# Altium PCB InsaneKeyboard.PcbDoc (part 1 of 5)
Units mil, origin at the board's own origin, x right, y up, seen from the top; angles counter-clockwise.
Board outline 7442.83 x 6333.68 mil, 2 copper layers (Top Layer, Bottom Layer), stack 61.756 mil thick; 289 components, 175 nets, 928 pads, 1163 vias.
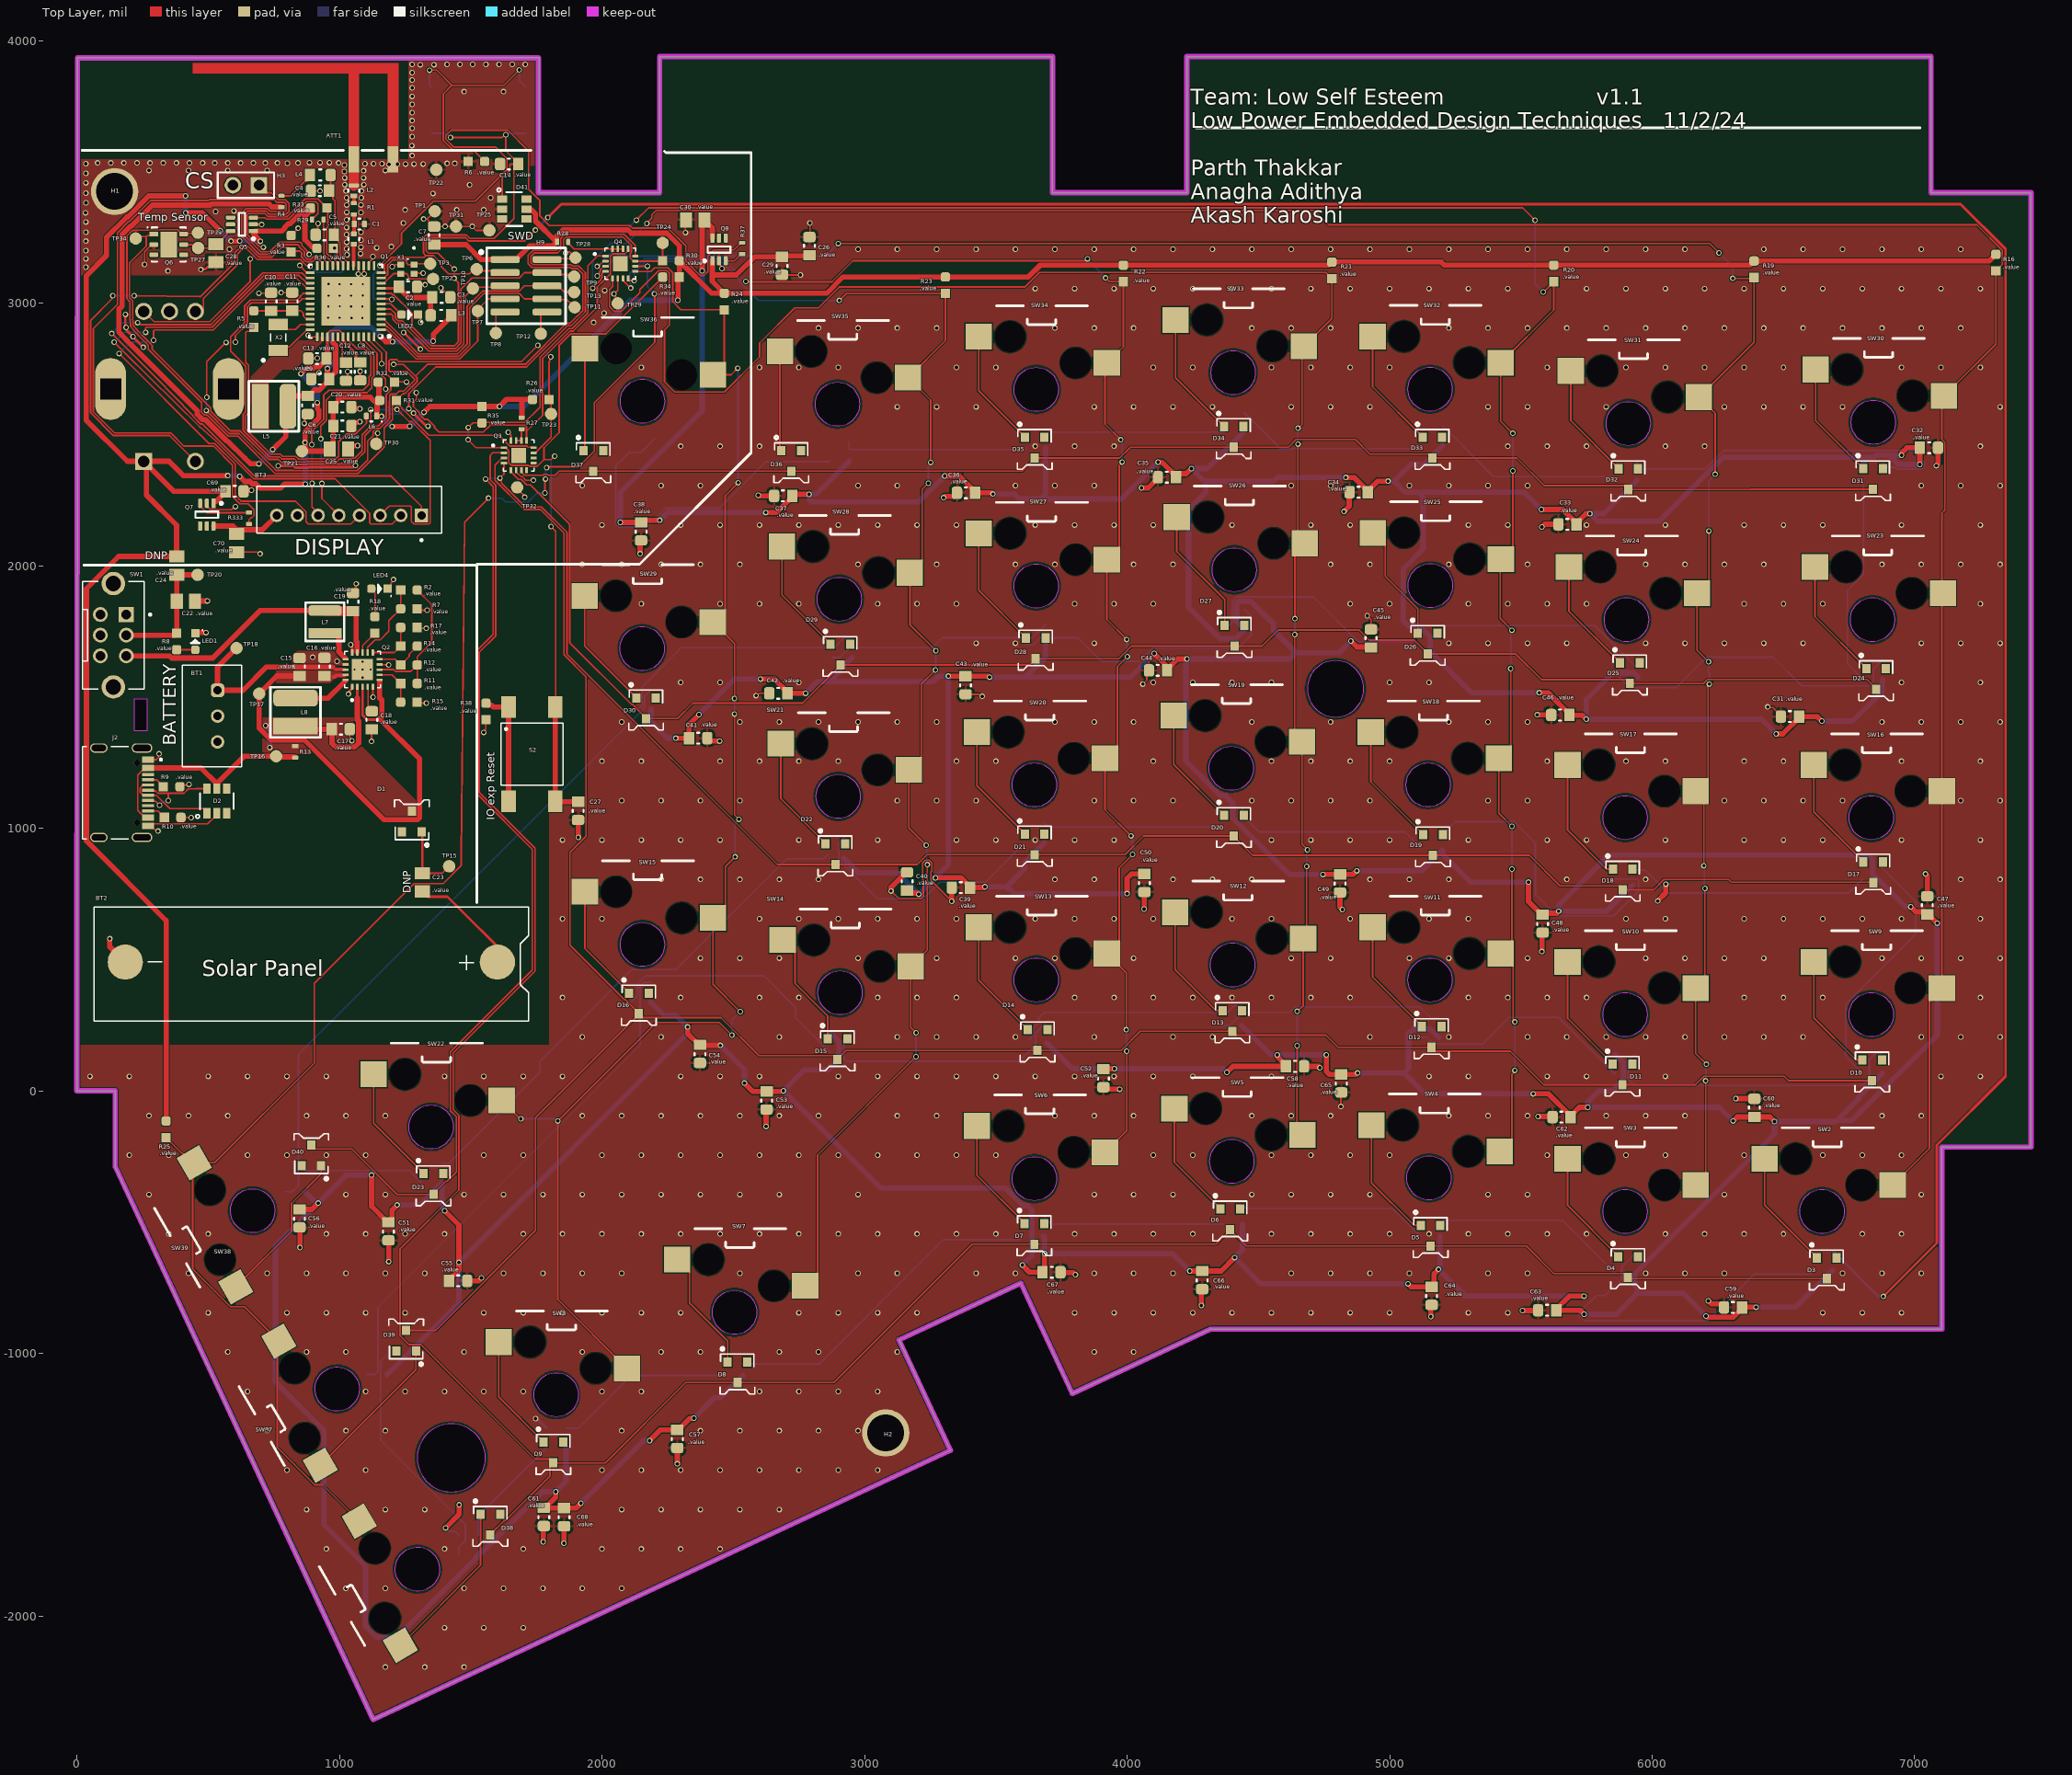
[diagram p0: Top Layer view]
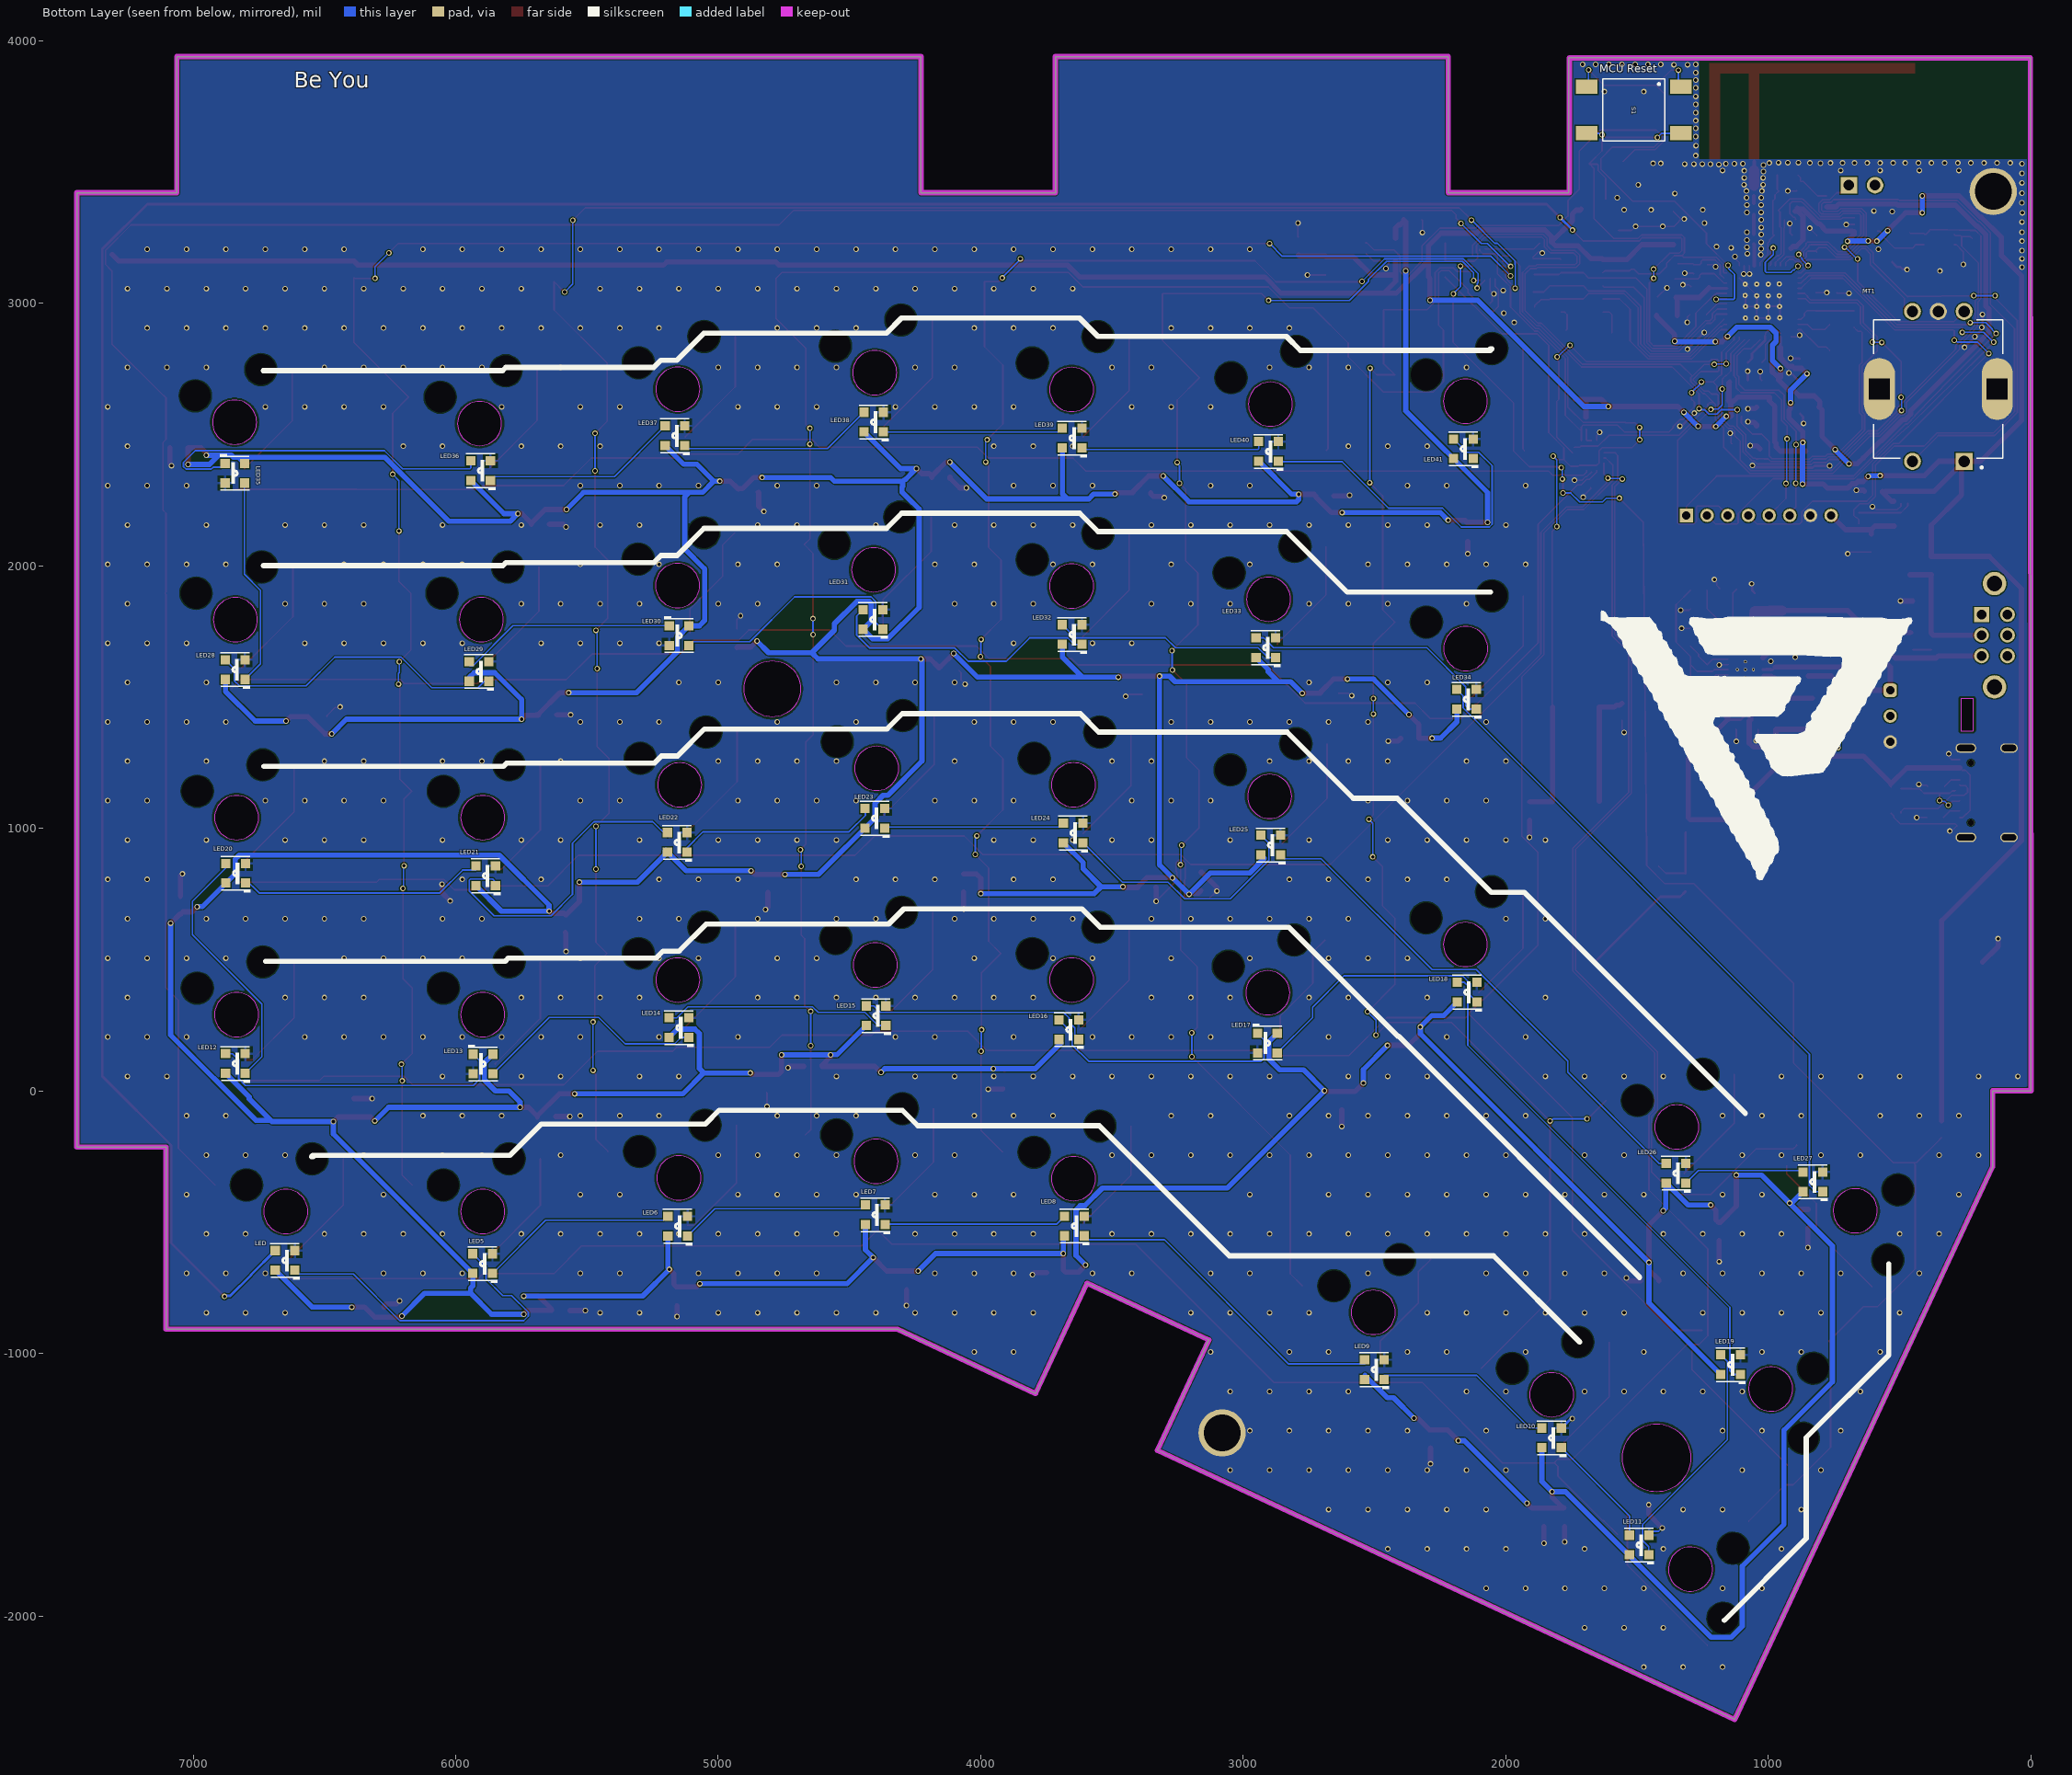
[diagram p1: Bottom Layer view, seen from below]
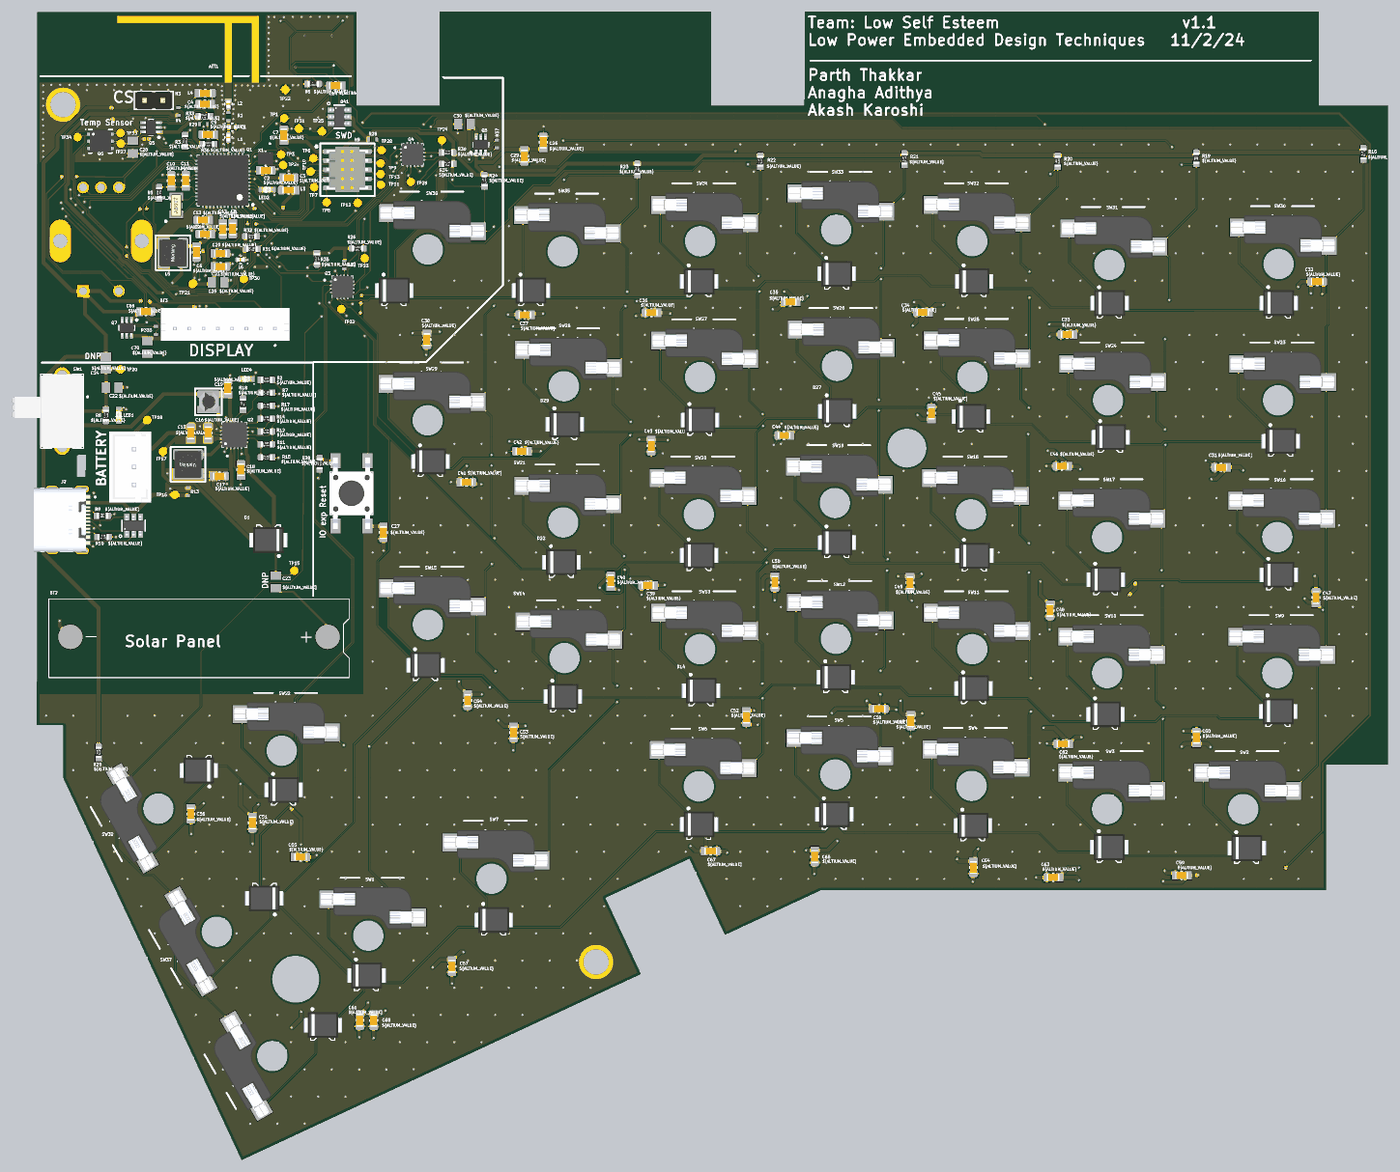
[diagram p6: 3D render of the assembled board from above, using the file's embedded part models]

## Layer stack, top to bottom
Top Solder: solder mask 1, SM-001, Dk 4
Top Layer: signal copper 1.378
Dielectric 1: core 59, Core-043, Dk 4.3
Bottom Layer: signal copper 1.378
Bottom Solder: solder mask 1, SM-001, Dk 4

## Board outline
479.2,-1003.43 795.33,-1681.38 1128.1,-2395 3327.42,-1369.44 3131.41,-949.1 3595.27,-732.8 3791.28,-1153.14 4317.45,-907.78 7103.08,-907.78 7103.08,-214.47 7442.84,-214.47 7442.84,3420.21 7062.33,3420.21 7062.33,3938.68 4227.68,3938.68 4227.68,3420.22 3715.87,3420.22 3715.87,3938.68 2219.81,3938.68 2219.81,3420.22 1760,3420.22 1760,3934.74 1.84,3934.75 0.01,-0.09 146.43,-0.09 146.43,-289.8
cut-out: 4686.83,1531 ccw(c4794,1531) 4794,1423.83 ccw(c4794,1531) 4901.17,1531 ccw(c4794,1531) 4794,1638.17 ccw(c4794,1531)
cut-out: 1296.37,-1398 ccw(c1426,-1398) 1426,-1527.63 ccw(c1426,-1398) 1555.63,-1398 ccw(c1426,-1398) 1426,-1268.37 ccw(c1426,-1398)
cut-out: 221,1371 219,1373 219,1493 267,1493 267,1371

## Design rules (kind name [scope] priority, off if disabled: settings)
BoardOutlineClearance [All] p1: gap=9 ignorepadtopadclearanceinfootprint=FALSE
Clearance [All] p1: gap=4 ignorepadtopadclearanceinfootprint=FALSE
HoleSize [All] p1: absolutevalues=TRUE maxlimit=248 minlimit=5.91 maxpercent=80.000 minpercent=20.000
HoleToHoleClearance [All] p1: gap=7.87 allowstackedmicrovias=TRUE
MinimumSolderMaskSliver [All] p1: minsoldermaskwidth=1
PlaneConnect [All] p1: planeconnectstyle=Direct reliefexpansion=20 reliefentries=4 reliefconductorwidth=10 reliefairgap=10
PolygonConnect InductorPourVDCDC [IsNamedPolygon('NETL5_1_L01_P013')] p1: connectstyle=Direct reliefconductorwidth=10 reliefentries=4 polygonreliefangle="90 Angle" airgapwidth=10
PolygonConnect AntennaPad [HasFootprint('F_INVERTED')] p2: connectstyle=Direct reliefconductorwidth=10 reliefentries=4 polygonreliefangle="90 Angle" airgapwidth=10
PolygonConnect PMIC [IsNamedPolygon('NETC17_1_L01_P004') or IsNamedPolygon('VOUT_L01_P003') or IsNamedPolygon('VSTOR_L01_P001') or IsNamedPolygon('GND_L01_P002') or IsNamedPolygon('VOUT_L01_P003')] p3: connectstyle=Direct reliefconductorwidth=10 reliefentries=4 polygonreliefangle="90 Angle" airgapwidth=10
PolygonConnect Switches [All] p4: thpad.connectstyle=Direct thpad.reliefconductorwidth=10 thpad.reliefentries=4 thpad.polygonreliefangle="90 Angle" thpad.airgapwidth=10 smdpad.connectstyle=Relief smdpad.reliefconductorwidth=10 smdpad.reliefentries=4 smdpad.polygonreliefangle="90 Angle" smdpad.airgapwidth=10 via.connectstyle=Direct via.reliefconductorwidth=10 via.reliefentries=4 via.polygonreliefangle="90 Angle" via.airgapwidth=10
PolygonConnect Bottom [IsNamedPolygon('GND_L02_P007')] p5: thpad.connectstyle=Direct thpad.reliefconductorwidth=10 thpad.reliefentries=4 thpad.polygonreliefangle="90 Angle" thpad.airgapwidth=10 smdpad.connectstyle=Relief smdpad.reliefconductorwidth=10 smdpad.reliefentries=4 smdpad.polygonreliefangle="90 Angle" smdpad.airgapwidth=10 via.connectstyle=Direct via.reliefconductorwidth=10 via.reliefentries=4 via.polygonreliefangle="90 Angle" via.airgapwidth=10
PolygonConnect vout [InNet('+3.3V') or InNet('VAEM')] p6: connectstyle=Direct reliefconductorwidth=10 reliefentries=4 polygonreliefangle="90 Angle" airgapwidth=10
PolygonConnect TopAntenna [IsNamedPolygon('GND_L01_P006')] p7: thpad.connectstyle=Direct thpad.reliefconductorwidth=10 thpad.reliefentries=4 thpad.polygonreliefangle="90 Angle" thpad.airgapwidth=10 smdpad.connectstyle=Relief smdpad.reliefconductorwidth=10 smdpad.reliefentries=4 smdpad.polygonreliefangle="90 Angle" smdpad.airgapwidth=10 via.connectstyle=Direct via.reliefconductorwidth=10 via.reliefentries=4 via.polygonreliefangle="90 Angle" via.airgapwidth=10
RoutingVias [All] p1: holewidth=13 width=21 viastyle="Through Hole" minholewidth=6 minwidth=10 maxholewidth=13 maxwidth=25
SilkToSilkClearance [All] p1: silktosilkclearance=4
SilkToSolderMaskClearance [IsPad] p1: minsilkscreentomaskgap=4 clearancetoexposedcopper=TRUE
SolderMaskExpansion [All] p1: expansion=4 istentingtop=FALSE
SupplyNets "Schematic Supply Nets_5" [InNet('VMCU')] p1: voltage=0.000
SupplyNets "Schematic Supply Nets_4" [InNet('VDCDC')] p2: voltage=0.000
SupplyNets "Schematic Supply Nets_3" [InNet('GND')] p3: voltage=0.000
SupplyNets "Schematic Supply Nets_2" [InNet('PAVDD')] p4: voltage=0.000
SupplyNets "Schematic Supply Nets_1" [InNet('+3.3V')] p5: voltage=0.000
SupplyNets "Schematic Supply Nets" [InNet('USB_VCC')] p6: voltage=0.000
UnRoutedNet [All] p1: checkbadconnections=TRUE
Width "Schematic Width Constraint_10" [InNet('DISPLAY_LOAD_SW')] p1: maxlimit=20 minlimit=6 preferedwidth=20
Width "Schematic Width Constraint_9" [InNet('LED_PWR')] p2: maxlimit=20 minlimit=6 preferedwidth=20
Width "Schematic Width Constraint_8" [InNet('VBAT')] p3: maxlimit=20 minlimit=6 preferedwidth=20
Width "Schematic Width Constraint_7" [InNet('VDCDC')] p4: maxlimit=20 minlimit=6 preferedwidth=20
Width "Schematic Width Constraint_6" [InNet('NetC17_1')] p5: maxlimit=20 minlimit=6 preferedwidth=20
Width "Schematic Width Constraint_3" [InNet('VSTOR')] p6: maxlimit=20 minlimit=6 preferedwidth=20
Width "Schematic Width Constraint_2" [InNet('NetL8_2')] p7: maxlimit=20 minlimit=6 preferedwidth=20
Width "Schematic Width Constraint" [InNet('+3.3V')] p8: maxlimit=20 minlimit=6 preferedwidth=20
Width "Schematic Width Constraint_5" [InNet('USB_VCC')] p9: maxlimit=20 minlimit=6 preferedwidth=20
Width "Schematic Width Constraint_4" [InNet('VMCU')] p10: maxlimit=20 minlimit=6 preferedwidth=20
Width "Schematic Width Constraint_1" [InNet('VOUT')] p11: maxlimit=50 minlimit=6 preferedwidth=20
Width [All] p12: maxlimit=50 minlimit=6 preferedwidth=6
23 further rules are at their usual default settings.

## Classes and differential pairs
net class RF: NetATT1_0 NetC1_1 NetL1_1 NetL2_1
component class LIGHTS: C29 C30 C31 C32 C33 C34 C35 C36 C37 C38 C39 C40 C41 C42 C43 C44 C45 C46 C47 C48 C49 C50 C51 C52 C53 C54 C55 C56 C57 C58 C59 C60 C61 C62 C63 C64 C65 C66 C67 C68 LED LED5 LED6 LED7 LED8 LED9 LED10 LED11 LED12 LED13 LED14 LED15 LED16 LED17 LED18 LED19 LED20 LED21 LED22 LED23 LED24 LED25 LED26 LED27 LED28 LED29 LED30 LED31 LED32 LED33 LED34 LED35 LED36 LED37 LED38 LED39 LED40 LED41 Q8 R37
component class DISPLAY: BT3 C69 C70 Q7 R333
net class RADIO_PF[7..0]: RADIO_PF0 RADIO_PF1 RADIO_PF2 RADIO_PF3 RADIO_PF4 RADIO_PF5 RADIO_PF6 RADIO_PF7
net class RADIO_PB[15..11]: RADIO_PB11 RADIO_PB12 RADIO_PB13 RADIO_PB14 RADIO_PB15
net class IO_ROW_P[7..0]: IO_ROW_P0 IO_ROW_P1 IO_ROW_P2 IO_ROW_P3 IO_ROW_P4 IO_ROW_P5 IO_ROW_P6 IO_ROW_P7
net class IO_COL_P[7..0]: IO_COL_P0 IO_COL_P1 IO_COL_P2 IO_COL_P3 IO_COL_P4 IO_COL_P5 IO_COL_P6 IO_COL_P7
component class SWITCHES: D3 D4 D5 D6 D7 D8 D9 D10 D11 D12 D13 D14 D15 D16 D17 D18 D19 D20 D21 D22 D23 D24 D25 D26 D27 D28 D29 D30 D31 D32 D33 D34 D35 D36 D37 D38 D39 D40 H1 H2 R16 R19 R20 R21 R22 R23 R24 R25 SW2 SW3 SW4 SW5 SW6 SW7 SW8 SW9 SW10 SW11 SW12 SW13 SW14 SW15 SW16 SW17 SW18 SW19 SW20 SW21 SW22 SW23 SW24 SW25 SW26 SW27 SW28 SW29 SW30 SW31 SW32 SW33 SW34 SW35 SW36 SW37 SW38 SW39
component class RF_ANTENNA_POWER: ATT1 C1 C2 C3 C4 C5 C6 C7 C8 C9 C10 C11 C12 C13 L1 L2 L3 L4 L5 L6 Q1 R1 R4 R5 TP1 TP2 TP3 X1 X2
component class POWER: BT1 BT2 C15 C16 C17 C18 C19 C20 C21 C22 C23 C24 C25 D1 D2 J2 L7 L8 LED1 LED4 Q2 R2 R7 R8 R9 R10 R11 R12 R13 R14 R15 R17 R18 SW1 TP15 TP16 TP17 TP18 TP20 TP21 TP22
component class PERIPHERALS: C26 C27 C28 H3 LED2 MT1 Q3 Q4 Q5 Q6 R3 R26 R27 R28 R29 R30 R31 R32 R33 R34 R35 R36 R38 S2 TP23 TP24 TP25 TP27 TP28 TP29 TP30 TP31 TP32 TP33 TP34
component class EFR32_IO: C14 D41 H9 R6 S1 TP6 TP7 TP8 TP9 TP10 TP11 TP12 TP13
net class RADIO_PD[15..10]: RADIO_PD10 RADIO_PD11 RADIO_PD12 RADIO_PD13 RADIO_PD14 RADIO_PD15
net class RADIO_PC[11..6]: RADIO_PC6 RADIO_PC7 RADIO_PC8 RADIO_PC9 RADIO_PC10 RADIO_PC11
net class RADIO_PA[5..0]: RADIO_PA0 RADIO_PA1 RADIO_PA2 RADIO_PA3 RADIO_PA4 RADIO_PA5
